# KiCad board ControlBoard.kicad_pcb
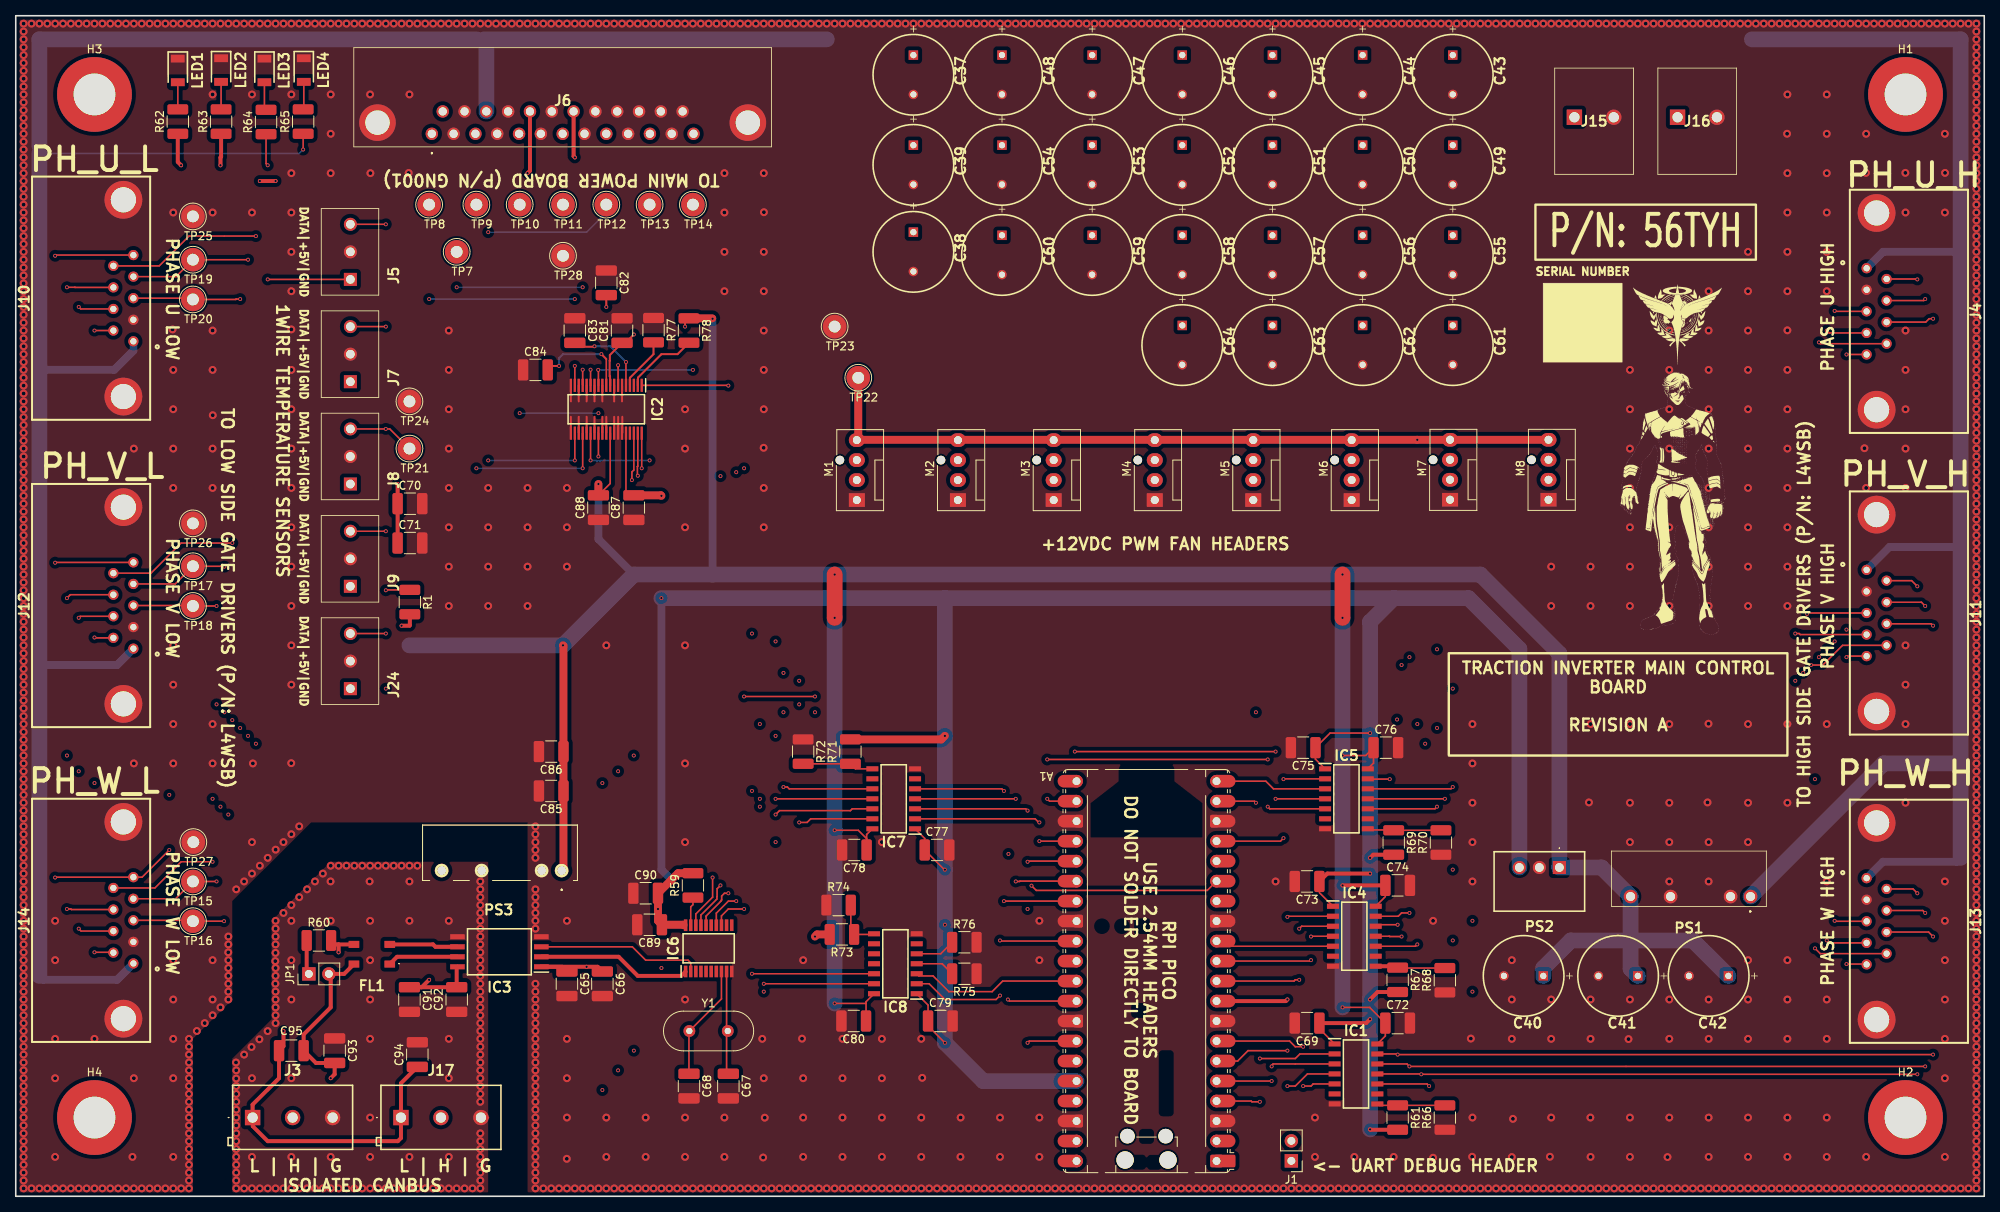
[diagram p0: board, top side]
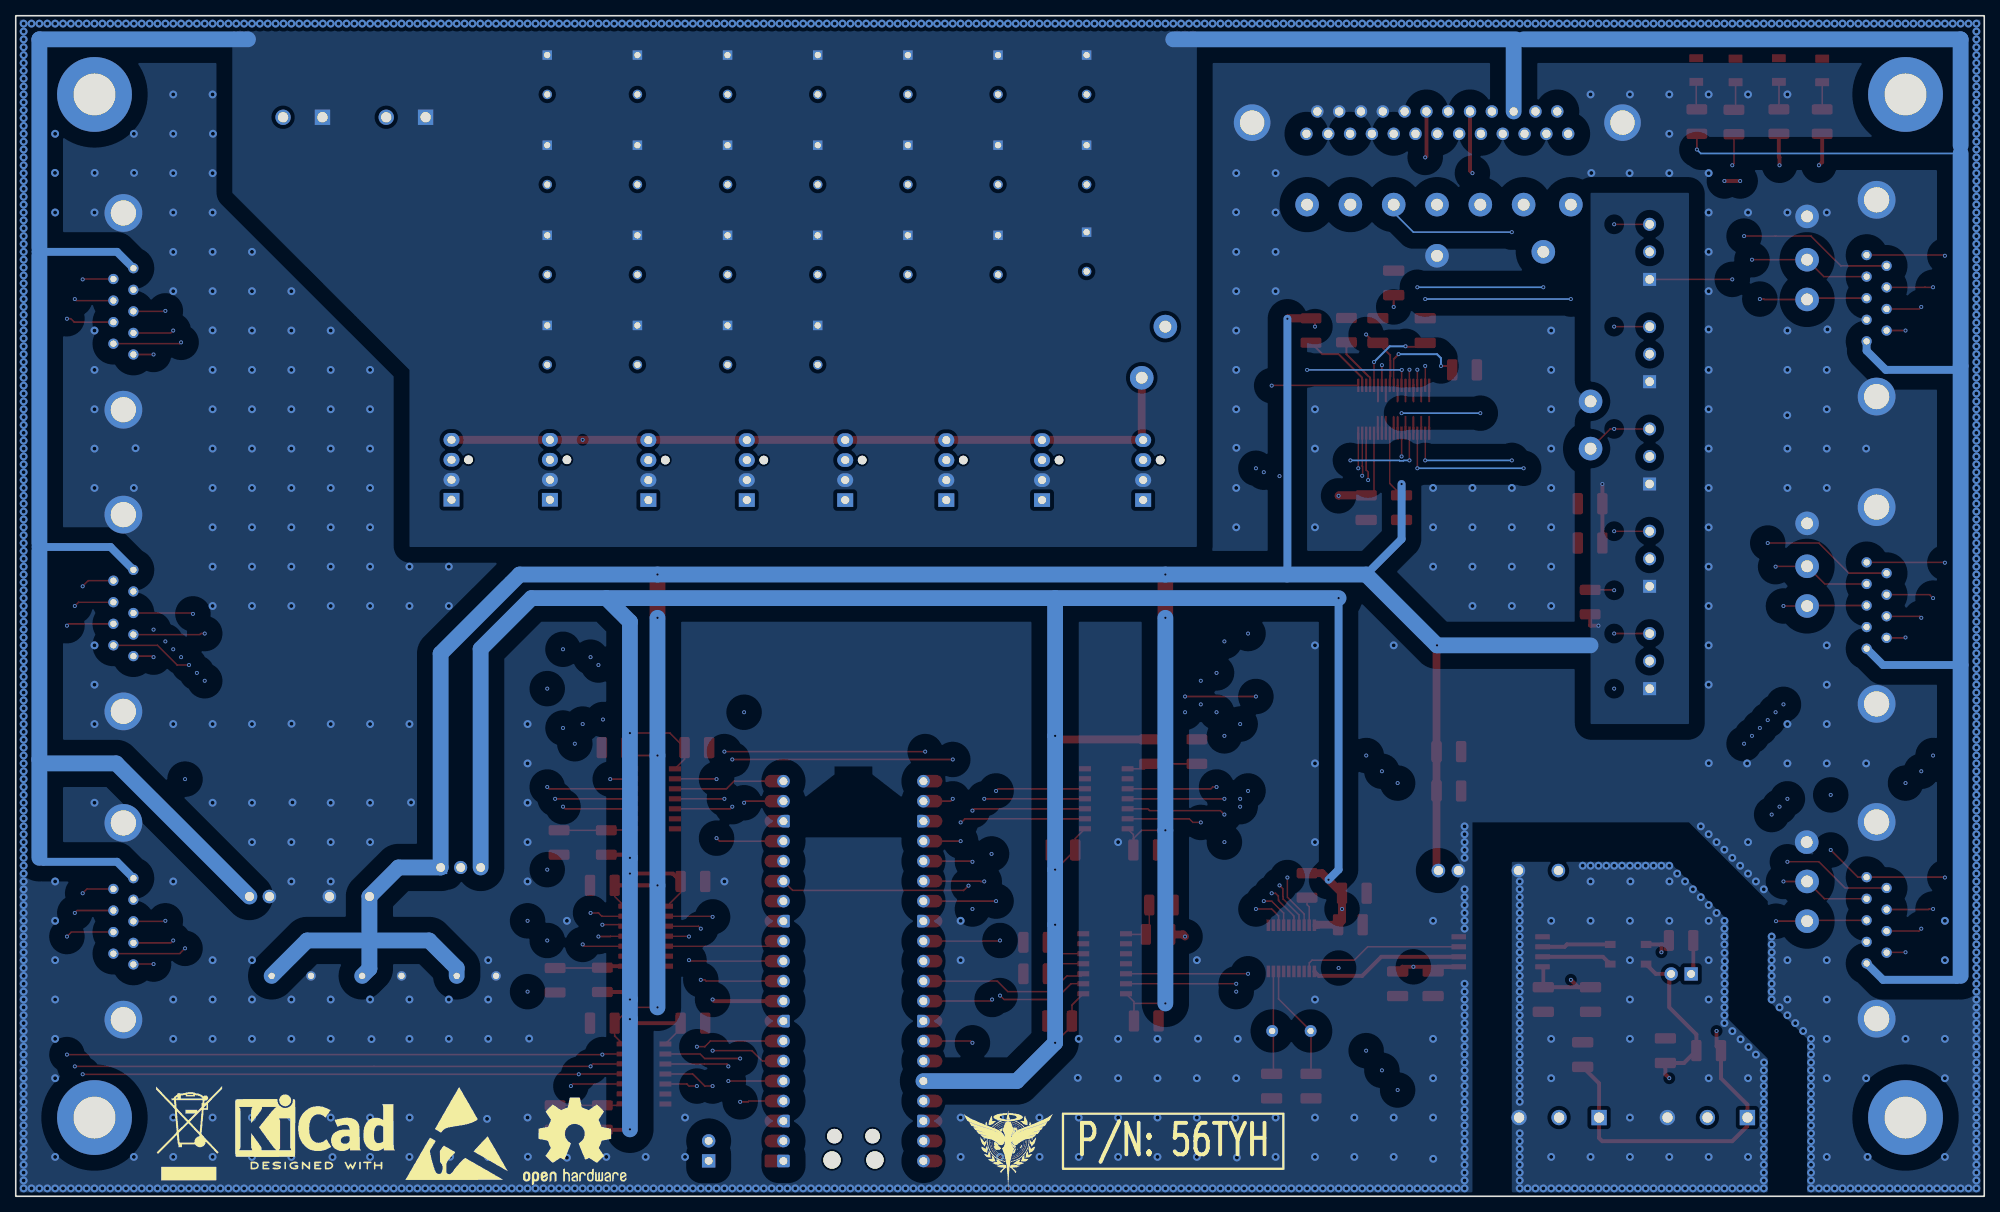
[diagram p1: board, bottom side, seen from below]

Outline 250 x 150 mm; copper layers: Top, In1.Cu, In2.Cu, Bottom. Coordinates in mm from the lower left corner of the outline.
Outline path: rectangle 0,150 250,0
Stack: Top 0.035mm / dielectric 0.1mm FR4 er 4.5 / In1.Cu 0.035mm / dielectric 1.24mm FR4 er 4.5 / In2.Cu 0.035mm / dielectric 0.1mm FR4 er 4.5 / Bottom 0.035mm

## Placement (name value [footprint] x y rotation side)
A1  RaspberryPi_Pico  [RaspberryPi_Pico_Common_Unspecified]  143.61 28.61 180 top
C37  UVY1E102MPD1TD  [CAPPRD500W60D1025H1750]  114 145 270 top
C38  UVY1E102MPD1TD  [CAPPRD500W60D1025H1750]  114 122.5 270 top
C39  UVY1E102MPD1TD  [CAPPRD500W60D1025H1750]  114 133.55 270 top
C40  UVY1E102MPD1TD  [CAPPRD500W60D1025H1750]  194 28 180 top
C41  UVY1E102MPD1TD  [CAPPRD500W60D1025H1750]  206 28 180 top
C42  UVY1E102MPD1TD  [CAPPRD500W60D1025H1750]  217.5 28 180 top
C43  UVY1E102MPD1TD  [CAPPRD500W60D1025H1750]  182.5 145 270 top
C44  UVY1E102MPD1TD  [CAPPRD500W60D1025H1750]  171.05 145 270 top
C45  UVY1E102MPD1TD  [CAPPRD500W60D1025H1750]  159.6 145 270 top
C46  UVY1E102MPD1TD  [CAPPRD500W60D1025H1750]  148.15 145 270 top
C47  UVY1E102MPD1TD  [CAPPRD500W60D1025H1750]  136.7 145 270 top
C48  UVY1E102MPD1TD  [CAPPRD500W60D1025H1750]  125.25 145 270 top
C49  UVY1E102MPD1TD  [CAPPRD500W60D1025H1750]  182.5 133.55 270 top
C50  UVY1E102MPD1TD  [CAPPRD500W60D1025H1750]  171.05 133.55 270 top
C51  UVY1E102MPD1TD  [CAPPRD500W60D1025H1750]  159.6 133.55 270 top
C52  UVY1E102MPD1TD  [CAPPRD500W60D1025H1750]  148.15 133.55 270 top
C53  UVY1E102MPD1TD  [CAPPRD500W60D1025H1750]  136.7 133.55 270 top
C54  UVY1E102MPD1TD  [CAPPRD500W60D1025H1750]  125.25 133.55 270 top
C55  UVY1E102MPD1TD  [CAPPRD500W60D1025H1750]  182.5 122.1 270 top
C56  UVY1E102MPD1TD  [CAPPRD500W60D1025H1750]  171.05 122.1 270 top
C57  UVY1E102MPD1TD  [CAPPRD500W60D1025H1750]  159.6 122.1 270 top
C58  UVY1E102MPD1TD  [CAPPRD500W60D1025H1750]  148.15 122.1 270 top
C59  UVY1E102MPD1TD  [CAPPRD500W60D1025H1750]  136.7 122.1 270 top
C60  UVY1E102MPD1TD  [CAPPRD500W60D1025H1750]  125.25 122.1 270 top
C61  UVY1E102MPD1TD  [CAPPRD500W60D1025H1750]  182.5 110.65 270 top
C62  UVY1E102MPD1TD  [CAPPRD500W60D1025H1750]  171.05 110.65 270 top
C63  UVY1E102MPD1TD  [CAPPRD500W60D1025H1750]  159.6 110.65 270 top
C64  UVY1E102MPD1TD  [CAPPRD500W60D1025H1750]  148.15 110.65 270 top
C65  100nF  [C_1210_3225Metric_Pad1.33x2.70mm_HandSolder]  70 27 270 top
C66  10uF  [C_1210_3225Metric_Pad1.33x2.70mm_HandSolder]  74.5 27 270 top
C67  22pF  [C_1210_3225Metric_Pad1.33x2.70mm_HandSolder]  90.5 14 270 top
C68  22pF  [C_1210_3225Metric_Pad1.33x2.70mm_HandSolder]  85.5 14 270 top
C69  100nF  [C_1210_3225Metric_Pad1.33x2.70mm_HandSolder]  164 22 180 top
C70  100nF  [C_1210_3225Metric_Pad1.33x2.70mm_HandSolder]  50.06 88 0 top
C71  10uF  [C_1210_3225Metric_Pad1.33x2.70mm_HandSolder]  50.06 83 0 top
C72  100nF  [C_1210_3225Metric_Pad1.33x2.70mm_HandSolder]  175.5 22 0 top
C73  100nF  [C_1210_3225Metric_Pad1.33x2.70mm_HandSolder]  164 40 180 top
C74  100nF  [C_1210_3225Metric_Pad1.33x2.70mm_HandSolder]  175.5 39.5 0 top
C75  100nF  [C_1210_3225Metric_Pad1.33x2.70mm_HandSolder]  163.5 57 180 top
C76  100nF  [C_1210_3225Metric_Pad1.33x2.70mm_HandSolder]  174 57 0 top
C77  100nF  [C_1210_3225Metric_Pad1.33x2.70mm_HandSolder]  117 44 0 top
C78  100nF  [C_1210_3225Metric_Pad1.33x2.70mm_HandSolder]  106.5 44 180 top
C79  100nF  [C_1210_3225Metric_Pad1.33x2.70mm_HandSolder]  117.42 22.27 0 top
C80  100nF  [C_1210_3225Metric_Pad1.33x2.70mm_HandSolder]  106.42 22.27 180 top
C81  100nF  [C_1210_3225Metric_Pad1.33x2.70mm_HandSolder]  77 110 90 top
C82  100nF  [C_1210_3225Metric_Pad1.33x2.70mm_HandSolder]  75 116.06 270 top
C83  100nF  [C_1210_3225Metric_Pad1.33x2.70mm_HandSolder]  71 110 270 top
C84  100nF  [C_1210_3225Metric_Pad1.33x2.70mm_HandSolder]  66 105 0 top
C85  100nF  [C_1210_3225Metric_Pad1.33x2.70mm_HandSolder]  68 51.5 180 top
C86  10uF  [C_1210_3225Metric_Pad1.33x2.70mm_HandSolder]  68 56.5 180 top
C87  100nF  [C_1210_3225Metric_Pad1.33x2.70mm_HandSolder]  78.5 87.5 90 top
C88  100nF  [C_1210_3225Metric_Pad1.33x2.70mm_HandSolder]  74 87.5 90 top
C89  100nF  [C_1210_3225Metric_Pad1.33x2.70mm_HandSolder]  80.5 34.5 180 top
C90  10uF  [C_1210_3225Metric_Pad1.33x2.70mm_HandSolder]  80 38.5 0 top
C91  10uF  [C_1210_3225Metric_Pad1.33x2.70mm_HandSolder]  50 25 270 top
C92  100nF  [C_1210_3225Metric_Pad1.33x2.70mm_HandSolder]  56 25 90 top
C93  22pF  [C_1210_3225Metric_Pad1.33x2.70mm_HandSolder]  40.5 18.5 270 top  (not fitted)
C94  22pF  [C_1210_3225Metric_Pad1.33x2.70mm_HandSolder]  51 18 90 top  (not fitted)
C95  22pF  [C_1210_3225Metric_Pad1.33x2.70mm_HandSolder]  35 18.5 180 top  (not fitted)
FL1  ACT45B-101-2P-TL003  [ACT45B1012PTL003]  45.22 30.75 180 top
G***  LOGO  [Silkscreen_Logo_CelstialBeing_S]  211 111 0 top
G***#2  LOGO  [Char_McGillisFareed_20mm]  211 88 0 top
G***#3  LOGO  [Silkscreen_Logo_CelstialBeing_S]  124 6 180 bottom
H1  MountingHole_Pad  [MountingHole_5.3mm_M5_ISO7380_Pad]  240 140 0 top
H2  MountingHole_Pad  [MountingHole_5.3mm_M5_ISO7380_Pad]  240 10 0 top
H3  MountingHole_Pad  [MountingHole_5.3mm_M5_ISO7380_Pad]  10 140 0 top
H4  MountingHole_Pad  [MountingHole_5.3mm_M5_ISO7380_Pad]  10 10 0 top
IC1  TXB0104DR  [SOIC127P600X175-14N]  170.21 15.54 0 top
IC2  ADS8688AIDBT  [SOP50P640X120-38M]  75 100 270 top
IC3  ISO1042BDWVR  [SOIC127P1150X280-8N]  61.42 31.06 180 top
IC4  TXB0104DR  [SOIC127P600X175-14N]  170 33.04 0 top
IC5  TXB0104DR  [SOIC127P600X175-14N]  169 50.5 0 top
IC6  MCP2515-e_ST  [SOP65P640X120-20N]  88 31.5 90 top
IC7  TXB0104DR  [SOIC127P600X175-14N]  111.5 50.5 180 top
IC8  TXB0104DR  [SOIC127P600X175-14N]  111.71 29.54 180 top
J1  Conn_01x02_Pin  [PinHeader_1x02_P2.54mm_Vertical]  162 4.5 180 top
J3  -  [1548129]  30.08 10 0 top
J4  5-106505-2  [5-106505-2_3]  247.93 127.89 270 top
J5  -  [5442251]  42.5 116.5 90 top
J6  -  [L717SDB25PA4CH3R]  52.84 135 180 top
J7  -  [5442251]  42.5 103.5 90 top
J8  -  [5442251]  42.5 90.5 90 top
J9  -  [5442251]  42.5 77.5 90 top
J10  5-106505-2  [5-106505-2_3]  2.07 98.66 90 top
J11  5-106505-2  [5-106505-2_3]  247.93 89.56 270 top
J12  5-106505-2  [5-106505-2_3]  2.07 59.61 90 top
J13  5-106505-2  [5-106505-2_3]  247.93 50.39 270 top
J14  5-106505-2  [5-106505-2_3]  2.07 19.61 90 top
J15  -  [1987724]  197.95 137.1 0 top
J16  -  [1987724]  211.05 137.1 0 top
J17  -  [1548129]  48.92 10 0 top
J24  -  [5442251]  42.5 64.5 90 top
JP1  Jumper_2_Open  [PinHeader_1x02_P2.54mm_Vertical]  37.23 28.25 90 top
LED1  LTST-C230CKT  [LEDC3216X120N]  20.58 143.05 270 top
LED2  LTST-C230GKT  [LEDC3216X120N]  26.08 143.1 270 top
LED3  LTST-C230GKT  [LEDC3216X120N]  31.58 143.05 270 top
LED4  LTST-C230GKT  [LEDC3216X120N]  36.58 143.1 270 top
M1  Fan_4pin  [FanPinHeader_1x04_P2.54mm_Vertical]  106.82 88.46 90 top
M2  Fan_4pin  [FanPinHeader_1x04_P2.54mm_Vertical]  119.66 88.46 90 top
M3  Fan_4pin  [FanPinHeader_1x04_P2.54mm_Vertical]  131.82 88.46 90 top
M4  Fan_4pin  [FanPinHeader_1x04_P2.54mm_Vertical]  144.66 88.46 90 top
M5  Fan_4pin  [FanPinHeader_1x04_P2.54mm_Vertical]  157.16 88.46 90 top
M6  Fan_4pin  [FanPinHeader_1x04_P2.54mm_Vertical]  169.66 88.46 90 top
M7  Fan_4pin  [FanPinHeader_1x04_P2.54mm_Vertical]  182.16 88.5 90 top
M8  Fan_4pin  [FanPinHeader_1x04_P2.54mm_Vertical]  194.66 88.5 90 top
PS1  RKE-1205S_H  [RKE1205SH]  220.32 38.09 180 top
PS2  R-78K3.3-1.0  [R78K3310]  196.04 41.78 180 top
PS3  RFMM-0505S  [RFMM0505S]  69.33 41.38 180 top
R1  4.7k  [R_1210_3225Metric_Pad1.30x2.65mm_HandSolder]  50.05 75.5 270 top
R59  4.7k  [R_1210_3225Metric_Pad1.30x2.65mm_HandSolder]  86 39.5 90 top
R60  120  [R_1210_3225Metric_Pad1.30x2.65mm_HandSolder]  38.5 32.5 0 top
R61  4.7k  [R_1210_3225Metric_Pad1.30x2.65mm_HandSolder]  175.5 10 270 top
R62  220  [R_1210_3225Metric_Pad1.30x2.65mm_HandSolder]  20.58 136.55 90 top
R63  220  [R_1210_3225Metric_Pad1.30x2.65mm_HandSolder]  26.08 136.55 90 top
R64  220  [R_1210_3225Metric_Pad1.30x2.65mm_HandSolder]  31.79 136.5 90 top
R65  1k  [R_1210_3225Metric_Pad1.30x2.65mm_HandSolder]  36.5 136.55 90 top
R66  4.7k  [R_1210_3225Metric_Pad1.30x2.65mm_HandSolder]  181.5 10 90 top  (not fitted)
R67  4.7k  [R_1210_3225Metric_Pad1.30x2.65mm_HandSolder]  175.5 27.5 270 top
R68  4.7k  [R_1210_3225Metric_Pad1.30x2.65mm_HandSolder]  181.5 27.45 90 top  (not fitted)
R69  4.7k  [R_1210_3225Metric_Pad1.30x2.65mm_HandSolder]  175 44.95 270 top
R70  4.7k  [R_1210_3225Metric_Pad1.30x2.65mm_HandSolder]  181 44.95 90 top  (not fitted)
R71  4.7k  [R_1210_3225Metric_Pad1.30x2.65mm_HandSolder]  106 56.5 90 top
R72  4.7k  [R_1210_3225Metric_Pad1.30x2.65mm_HandSolder]  100 56.5 270 top  (not fitted)
R73  4.7k  [R_1210_3225Metric_Pad1.30x2.65mm_HandSolder]  104.92 33.27 180 top
R74  4.7k  [R_1210_3225Metric_Pad1.30x2.65mm_HandSolder]  104.5 37 0 top  (not fitted)
R75  4.7k  [R_1210_3225Metric_Pad1.30x2.65mm_HandSolder]  120.47 28.27 180 top
R76  4.7k  [R_1210_3225Metric_Pad1.30x2.65mm_HandSolder]  120.47 32.27 0 top
R77  4.7k  [R_1210_3225Metric_Pad1.30x2.65mm_HandSolder]  81 110.05 270 top
R78  4.7k  [R_1210_3225Metric_Pad1.30x2.65mm_HandSolder]  85.5 110 270 top
REF**  -  [OSHW-Logo2_14.6x12mm_SilkScreen]  179 7 180 bottom
REF**#2  -  [ESD-Logo_13.2x12mm_SilkScreen]  194 8 180 bottom
REF**#3  -  [KiCad-Logo2_8mm_SilkScreen]  212 9 180 bottom
REF**#4  -  [WEEE-Logo_8.4x12mm_SilkScreen]  228 8 180 bottom
TP7  TestPoint  [TestPoint_Loop_D2.54mm_Drill1.5mm_Beaded]  56 120 0 top
TP8  TestPoint  [TestPoint_Loop_D2.54mm_Drill1.5mm_Beaded]  52.5 126 0 top
TP9  TestPoint  [TestPoint_Loop_D2.54mm_Drill1.5mm_Beaded]  58.5 126 0 top
TP10  TestPoint  [TestPoint_Loop_D2.54mm_Drill1.5mm_Beaded]  64 126 0 top
TP11  TestPoint  [TestPoint_Loop_D2.54mm_Drill1.5mm_Beaded]  69.5 126 0 top
TP12  TestPoint  [TestPoint_Loop_D2.54mm_Drill1.5mm_Beaded]  75 126 0 top
TP13  TestPoint  [TestPoint_Loop_D2.54mm_Drill1.5mm_Beaded]  80.5 126 0 top
TP14  TestPoint  [TestPoint_Loop_D2.54mm_Drill1.5mm_Beaded]  86 126 0 top
TP15  TestPoint  [TestPoint_Loop_D2.54mm_Drill1.5mm_Beaded]  22.5 40 0 top
TP16  TestPoint  [TestPoint_Loop_D2.54mm_Drill1.5mm_Beaded]  22.5 34.95 0 top
TP17  TestPoint  [TestPoint_Loop_D2.54mm_Drill1.5mm_Beaded]  22.5 80.05 0 top
TP18  TestPoint  [TestPoint_Loop_D2.54mm_Drill1.5mm_Beaded]  22.5 75 0 top
TP19  TestPoint  [TestPoint_Loop_D2.54mm_Drill1.5mm_Beaded]  22.5 119 0 top
TP20  TestPoint  [TestPoint_Loop_D2.54mm_Drill1.5mm_Beaded]  22.5 113.95 0 top
TP21  TestPoint  [TestPoint_Loop_D2.54mm_Drill1.5mm_Beaded]  50 95 0 top
TP22  TestPoint  [TestPoint_Loop_D2.54mm_Drill1.5mm_Beaded]  107 104 0 top
TP23  TestPoint  [TestPoint_Loop_D2.54mm_Drill1.5mm_Beaded]  104 110.5 0 top
TP24  TestPoint  [TestPoint_Loop_D2.54mm_Drill1.5mm_Beaded]  50 101 0 top
TP25  TestPoint  [TestPoint_Loop_D2.54mm_Drill1.5mm_Beaded]  22.5 124.5 0 top
TP26  TestPoint  [TestPoint_Loop_D2.54mm_Drill1.5mm_Beaded]  22.5 85.5 0 top
TP27  TestPoint  [TestPoint_Loop_D2.54mm_Drill1.5mm_Beaded]  22.55 45 0 top
TP28  TestPoint  [TestPoint_Loop_D2.54mm_Drill1.5mm_Beaded]  69.5 119.5 0 top
Y1  8MHz  [Crystal_HC49-4H_Vertical]  85.55 21 0 top

## Library data of the parts
A1 = -: Datasheet: https://datasheets.raspberrypi.com/pico/pico-datasheet.pdf; Description: Versatile and inexpensive microcontroller module powered by RP2040 dual-core Arm Cortex-M0+ processor up to 133 MHz, 264kB SRAM, 2MB QSPI flash; also supports Raspberry Pi Pico 2; ki_fp_filters: RaspberryPi?Pico?Common* RaspberryPi?Pico?SMD*
C37-C64 = -: Datasheet: https://componentsearchengine.com/Datasheets/5/UVY1E102MPD1TD.pdf; Description: Cap Aluminum Lytic 1000uF 25V 20% (10 X 16mm) Radial 5mm 610mA 1000h 105C Ammo; Height: 17.5; Mouser Part Number: 647-UVY1E102MPD1TD; Mouser Price/Stock: https://www.mouser.co.uk/ProductDetail/Nichicon/UVY1E102MPD1TD?qs=gtReTMvImqniEnVqgrfK9Q%3D%3D; Manufacturer_Name: Nichicon
C65-C95 = -: Description: Unpolarized capacitor; ki_fp_filters: C_*
FL1 = -: Datasheet: https://product.tdk.com/system/files/dam/doc/product/emc/emc/cmf_cmc/catalog/cmf_automotive_signal_act45b_en.pdf; Description: Common Mode Filters / Chokes, |Z|=5800 at 10MHz, L x W x T :; Height: 3; Mouser Part Number: 810-ACT45B1012PTL003; Mouser Price/Stock: https://www.mouser.co.uk/ProductDetail/TDK/ACT45B-101-2P-TL003?qs=SKgu1TwNDxoLFWvwfqJuJA%3D%3D; Manufacturer_Name: TDK
H1-H4 = -: Description: Mounting Hole with connection; ki_fp_filters: MountingHole*Pad*
IC1 IC4 IC5 IC7 IC8 = -: Datasheet: http://www.ti.com/lit/gpn/txb0104; Description: 4-Bit Bidirectional Voltage-Level Shifter with Auto Direction Sensing and +/-15 kV ESD Protect; Height: 1.75; Mouser Part Number: 595-TXB0104DR; Mouser Price/Stock: https://www.mouser.co.uk/ProductDetail/Texas-Instruments/TXB0104DR?qs=oFXvjAmG9EgBSYD5QAjkqQ%3D%3D; Manufacturer_Name: Texas Instruments
IC2 = -: Datasheet: http://www.ti.com/lit/gpn/ads8688a; Description: 16-Bit, 500kSPS, 8-Ch SAR ADC With Bipolar Inputs Using 5V Supply and Low-Drift VREF; Height: 1.2; Mouser Part Number: 595-ADS8688AIDBT; Mouser Price/Stock: https://www.mouser.co.uk/ProductDetail/Texas-Instruments/ADS8688AIDBT?qs=xufs61hA5MZv%2F46DP%252BYoHw%3D%3D; Manufacturer_Name: Texas Instruments
IC3 = -: Datasheet: http://www.ti.com/lit/gpn/ISO1042; Description: Isolated CAN Transceiver With 70-V Bus Fault Protection and Flexible Data Rate; Height: 2.8; Mouser Part Number: 595-ISO1042BDWVR; Mouser Price/Stock: https://www.mouser.co.uk/ProductDetail/Texas-Instruments/ISO1042BDWVR?qs=qSfuJ%252Bfl%2Fd68DAhWt0GTEQ%3D%3D; Manufacturer_Name: Texas Instruments
IC6 = -: Datasheet: https://datasheet.datasheetarchive.com/originals/distributors/SFDatasheet-4/sf-00090060.pdf; Description: CAN controller with SPI, 125 degC; Height: 1.2; Mouser Part Number: 579-MCP2515-E/ST; Mouser Price/Stock: https://www.mouser.co.uk/ProductDetail/Microchip-Technology/MCP2515-E-ST?qs=y1t9dHv1DsIvDWDHTyyG6w%3D%3D; Manufacturer_Name: Microchip; Manufacturer_Part_Number: MCP2515-e/ST
J1 = -: Description: Generic connector, single row, 01x02, script generated; ki_fp_filters: Connector*:*_1x??_*
J3 J17 = -: Datasheet: https://www.phoenixcontact.com/en-in/products/pcb-terminal-block-mkdsn-15-3-508-spe-1548129; Description: Pluggable Terminal Blocks MKDSN 1,5/ 3-5,08 SPE; Height: 10.15; Mouser Part Number: 651-1548129; Mouser Price/Stock: https://www.mouser.co.uk/ProductDetail/Phoenix-Contact/1548129?qs=ulEaXIWI0c%2FYtJCBk3iUtQ%3D%3D; Manufacturer_Name: Phoenix Contact
J4 J10-J14 = -: Datasheet: https://www.te.com/commerce/DocumentDelivery/DDEController?Action=srchrtrv&DocNm=82068_AMPLIMITE_Right-Angle_Posted_Conn&DocType=Catalog%20Section&DocLang=English&PartCntxt=5-106505-2&DocFormat=pdf; Description: Body Features: Primary Product Color Black | Shell Plating Material Tin | Connector Profile Standard | Configuration Features: PCB Mount Orientation Right Angle | Number of Positions 9 | Number of Rows 2 | Contact Features: Contact Mating Area Plating Material Gold | Contact Mating Area Plating Material Thickness .76 MICM | Contact Shape & Form Round | Contact Mating Area Plating Material Gold Flash over Palladium Nickel | Contact Current Rating (Max) 6 AMP | Contact Base Material Phosphor Bronze | PCB Cont; Mouser Part Number: 571-5-106505-2; Mouser Price/Stock: https://www.mouser.co.uk/ProductDetail/TE-Connectivity/5-106505-2?qs=MQMItlSumdeqtmm5RcerVg%3D%3D; Manufacturer_Name: TE Connectivity
J5 J7-J9 J24 = -: Datasheet: https://www.phoenixcontact.com/en-gb/products/printed-circuit-board-terminal-bc-350x9-3-gn-5442251; Description: Fixed Terminal Blocks BC-350X9- 3 GN 3.5 MM PITCH; Height: 8.65; Mouser Part Number: 651-5442251; Mouser Price/Stock: https://www.mouser.co.uk/ProductDetail/Phoenix-Contact/5442251?qs=9Y9qB%2FCsC3kmzTCxovpQiw%3D%3D; Manufacturer_Name: Phoenix Contact
J6 = -: Datasheet: https://cdn.amphenol-cs.com/media/wysiwyg/files/drawing/l717sdxxxpa4ch3r.pdf; Description: Dsub, Stamped Signal 3A, Right Angle PCB Through Hole, FP=8.08mm (0.318in), Row Pitch 2.84mm, 25 Pin, Flash Gold, Bright Tin Shell+Grounding Dimples, M3 Rear Insert, Ground Tab with Boardlock; Height: 12.55; Mouser Part Number: 523-L717SDB25PA4CH3R; Mouser Price/Stock: https://www.mouser.co.uk/ProductDetail/Amphenol-Commercial-Products/L717SDB25PA4CH3R?qs=wLKqLMNa9uLx5EBU2ISlaA%3D%3D; Manufacturer_Name: Amphenol Communications Solutions
J15 J16 = -: Datasheet: https://datasheet.datasheetarchive.com/originals/distributors/Datasheets-DGA18/1075322.pdf; Description: Phoenix Contact PT 2.5/ 2-5.0-V PCB Terminal Block, 2 Way/Pole, Screw Terminals, 20  10 AWG Through Hole,; Description_1: Phoenix Contact PT 2.5/ 2-5.0-V PCB Terminal Block, 2 Way/Pole, Screw Terminals, 20  10 AWG Through Hole,; Height: 9.15; Mouser Part Number: 651-1987724; Mouser Price/Stock: https://www.mouser.co.uk/ProductDetail/Phoenix-Contact/1987724?qs=gjk32EaArKIePzXcIKo3jg%3D%3D; Manufacturer_Name: Phoenix Contact
JP1 = -: Description: Jumper, 2-pole, open; ki_fp_filters: Jumper* TestPoint*2Pads* TestPoint*Bridge*
LED1 = -: Description: Standard LEDs - SMD Red Clear 638nm; Height: 1.2; Mouser Part Number: 859-LTST-C230CKT; Mouser Price/Stock: https://www.mouser.co.uk/ProductDetail/Lite-On/LTST-C230CKT?qs=Ajas4iFhtucdJAOTHdHdqw%3D%3D; Manufacturer_Name: Lite-On
LED2-LED4 = -: Description: Lite-On LTST-C230GKT Green LED, 569 nm, 3016 (1206), Rectangle Lens SMD Package; Height: 1.2; Mouser Part Number: 859-LTST-C230GKT; Mouser Price/Stock: https://www.mouser.co.uk/ProductDetail/Lite-On/LTST-C230GKT?qs=7ZnIBiPc9DrbEstVFO1DAg%3D%3D; Manufacturer_Name: Lite-On
M1-M8 = -: Datasheet: http://www.formfactors.org/developer%5Cspecs%5Crev1_2_public.pdf; Description: Fan, tacho output, PWM input, 4-pin connector; ki_fp_filters: FanPinHeader*P2.54mm*Vertical* PinHeader*P2.54mm*Vertical* TerminalBlock*
PS1 = -: Datasheet: https://www.recom-power.com/pdf/Econoline/RKE.pdf; Description: Recom Through Hole 1W Isolated DC-DC Converter, Vin Maximum of 12 V dc, I/O isolation 4kV dc, Vout 5V dc; Height: 10.7; Mouser Part Number: 919-RKE-1205S/H; Mouser Price/Stock: https://www.mouser.co.uk/ProductDetail/RECOM-Power/RKE-1205S-H?qs=IFMNCcK%2FBZwj8OgeraTUUA%3D%3D; Manufacturer_Name: RECOM Power; Manufacturer_Part_Number: RKE-1205S/H
PS2 = -: Datasheet: https://recom-power.com/pdf/Innoline/R-78K-1.0.pdf; Description: 1.0 Amp SIP3 Single Output; Height: 10.7; Mouser Part Number: 919-R-78K3.3-1.0; Mouser Price/Stock: https://www.mouser.co.uk/ProductDetail/RECOM-Power/R-78K3.3-1.0?qs=Jm2GQyTW%2FbgHKVxUJQMQlQ%3D%3D; Manufacturer_Name: RECOM Power
PS3 = -: Datasheet: https://www.recom-power.com/pdf/Econoline/RFMM.pdf; Description: Isolated DC/DC Converters 1W 5Vin 5Vout 200mA SIP7; Height: 10.7; Mouser Part Number: 919-RFMM-0505S; Mouser Price/Stock: https://www.mouser.co.uk/ProductDetail/RECOM-Power/RFMM-0505S?qs=lYGu3FyN48cLA%2FDlNgurmw%3D%3D; Manufacturer_Name: RECOM Power
R1 R59-R78 = -: Description: Resistor; ki_fp_filters: R_*
TP7-TP28 = -: Description: test point; ki_fp_filters: Pin* Test*
Y1 = -: Description: Two pin crystal; ki_fp_filters: Crystal*
